# Altium PCB PCB SOM AM625.PcbDoc (part 5 of 6)
Units mm, origin at the board's own origin, x right, y up, seen from the top; angles counter-clockwise.
Board outline 92 x 91 mm, 6 copper layers (Top Layer, Layer 1, Layer 3, Layer 4, Layer 2, Bottom Layer), stack 1.56 mm thick; 480 components, 371 nets, 1721 pads, 738 vias.
Unrouted connection lines stored in the file: 13.
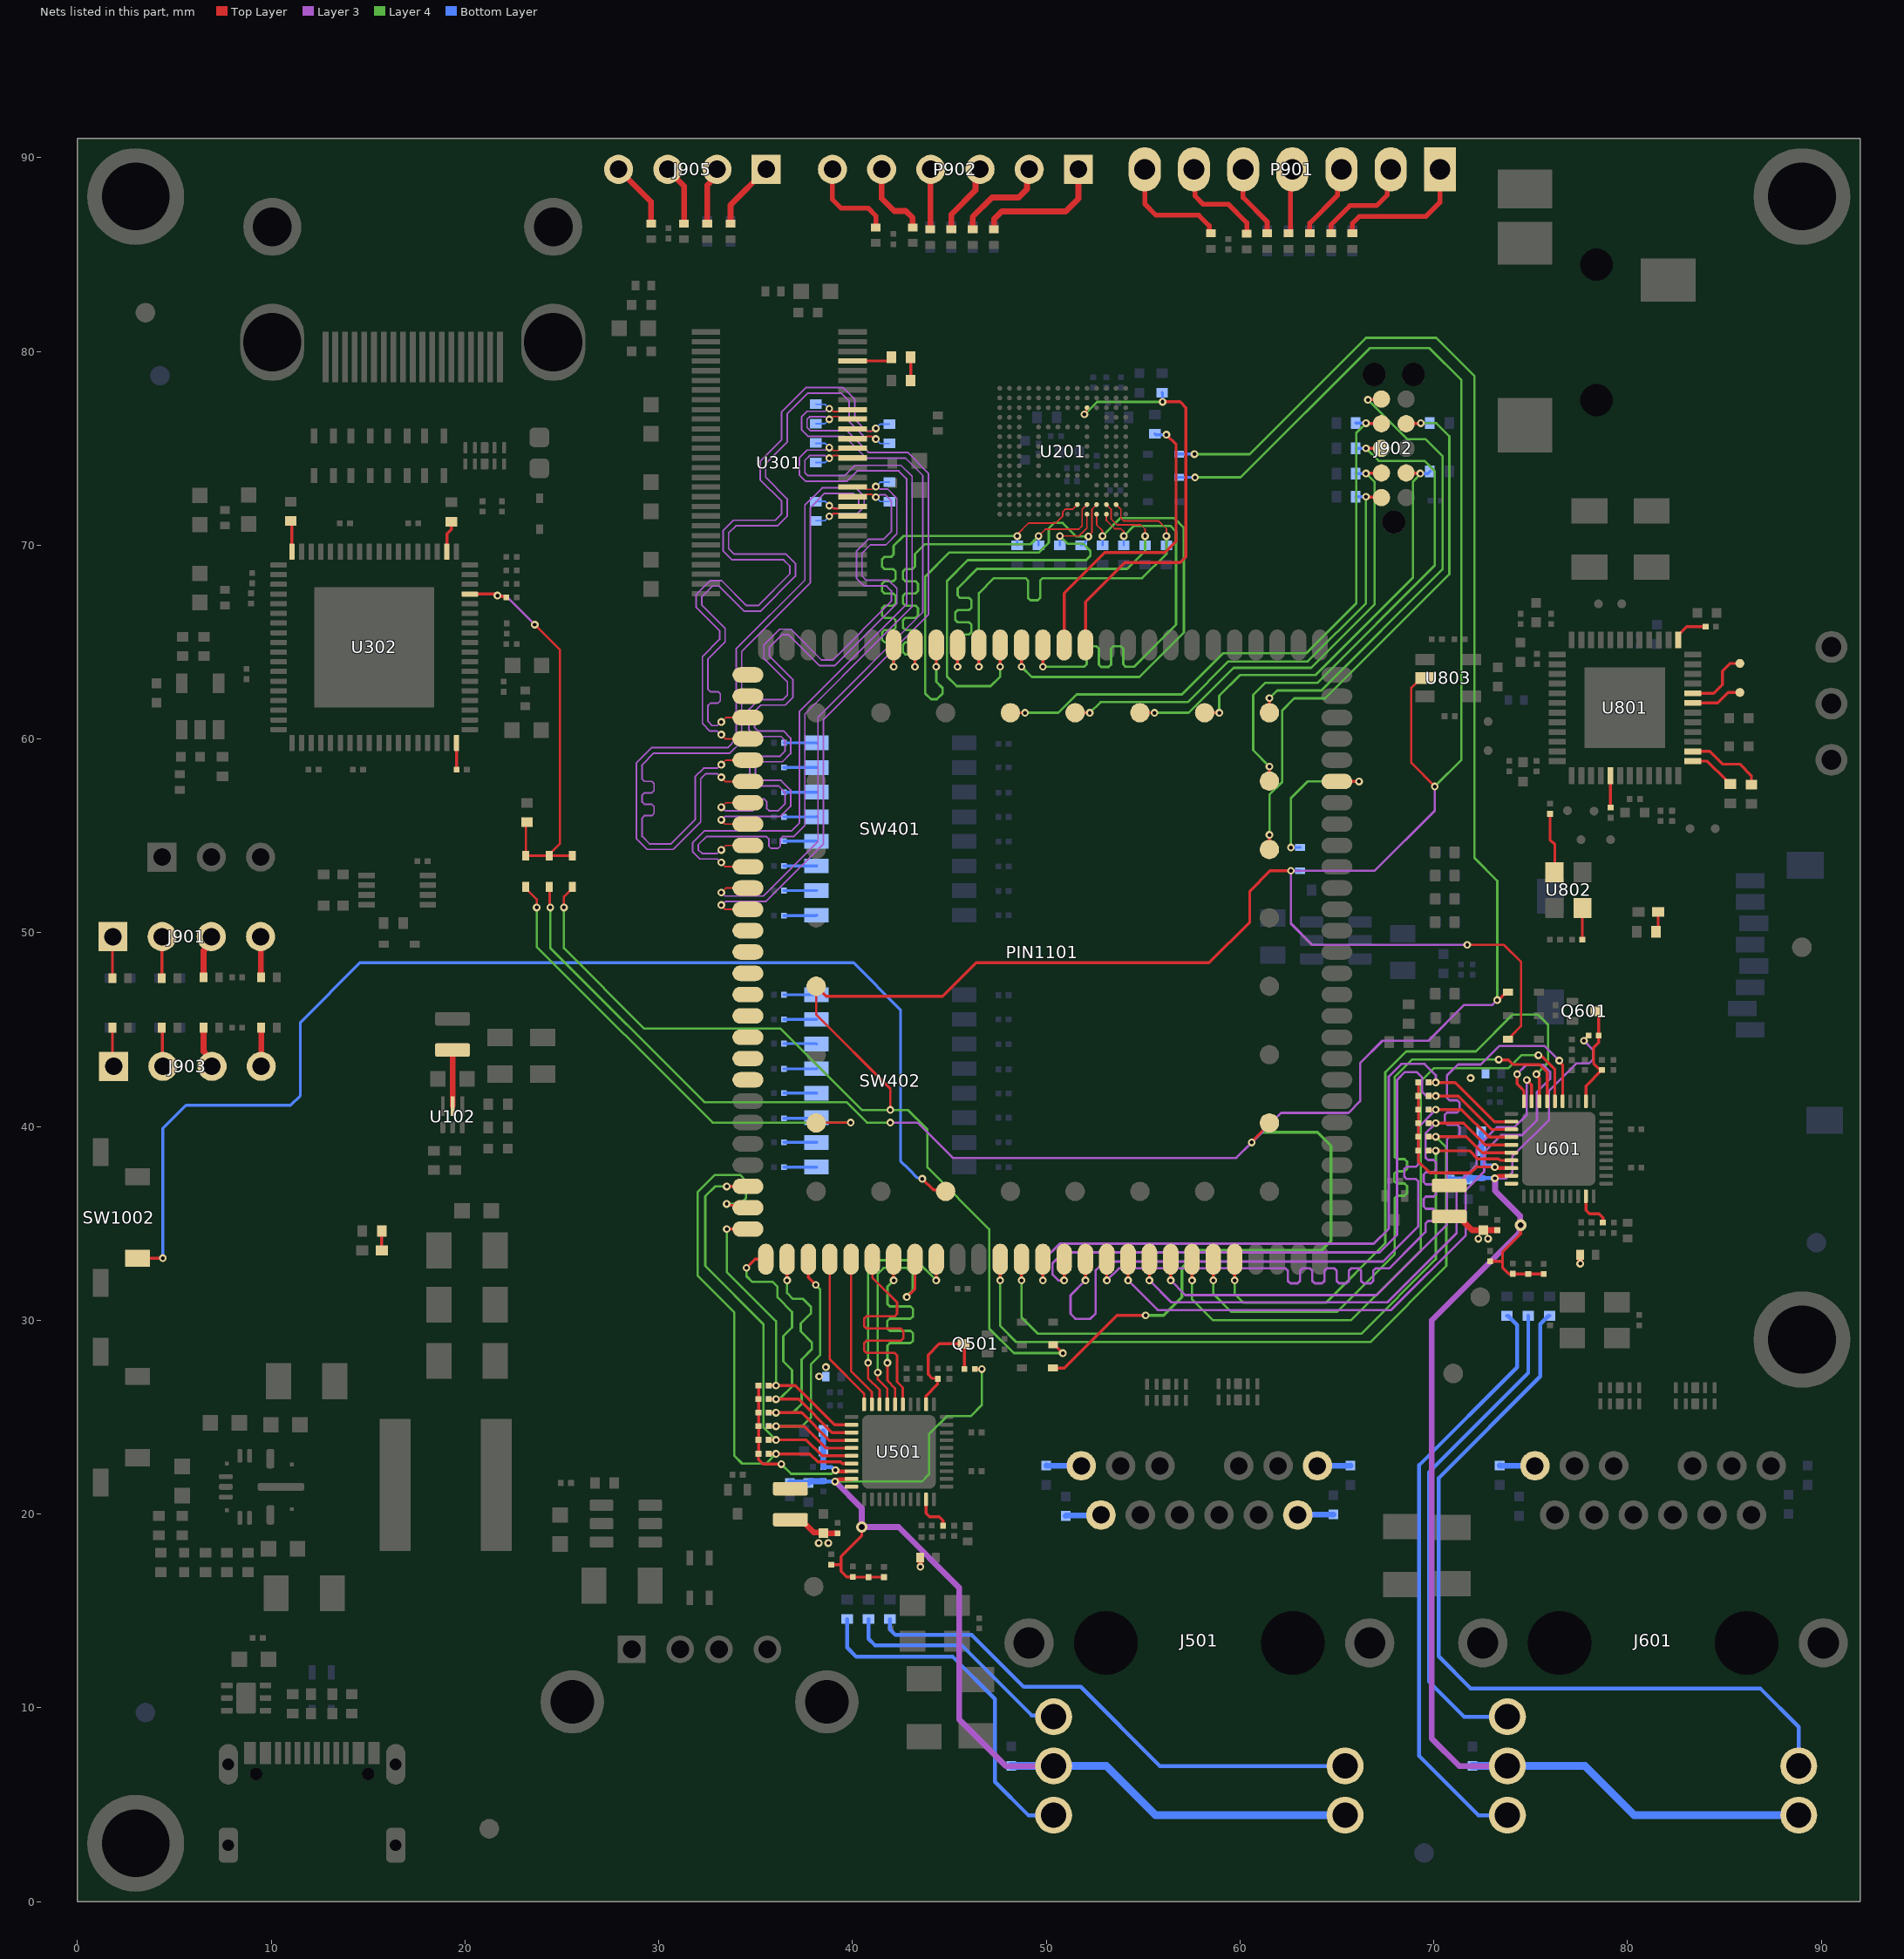
[diagram p9: the nets of this part, all layers, seen from the top]

## Via types
v1: diameter 0.4, hole 0.2, Top Layer to Bottom Layer, tented both sides, 695 vias
v2: diameter 0.8, hole 0.4, Top Layer to Bottom Layer, tented both sides, 40 vias
v3: diameter 0.6, hole 0.3, Top Layer to Bottom Layer, tented both sides, 3 vias

## Nets (pads, with @x,y where several pads share a name; then routed paths per layer and width w, separated by ;. In a path a pad name is that pad's centre, name@x,y a point inside that pad or via, vN(x,y) a via of type N, cw(c..) or ccw(c..) an arc to the next point about the centre after c; other vN are vias at no path point) (continued)
NetFB901_1: FB901.1 J901.1 | length 2.1
  Top Layer w0.15: FB901.1@1.8,47.66 1.8,49.78 J901.1@1.82,49.8
NetFB902_1: FB902.1 J901.2 | length 2.1
  Top Layer w0.15: FB902.1@4.35,47.66 4.355,47.665 4.355,49.795 J901.2@4.36,49.8
NetFB903_1: FB903.1 J901.3 | length 2.3
  Top Layer w0.3: FB903.1@6.5,47.7 6.5,49.075 6.9,49.475 J901.3@6.9,49.8
NetFB904_1: FB904.1 J901.4 | length 2.1
  Top Layer w0.3: J901.4@9.44,49.8 9.457,49.783 9.457,47.718 FB904.1@9.475,47.7
NetFB905_1: FB905.1 J903.1 | length 2
  Top Layer w0.15: FB905.1@1.8,45.1 1.8,43.16 J903.1@1.86,43.1
NetFB906_1: FB906.1 J903.2 | length 2
  Top Layer w0.15: FB906.1@4.35,45.1 4.375,45.075 4.375,43.125 J903.2@4.4,43.1
NetFB907_1: FB907.1 J903.3 | length 2.2
  Top Layer w0.3: FB907.1@6.5,45.1 6.5,43.865 6.94,43.425 J903.3@6.94,43.1
NetFB908_1: FB908.1 J903.4 | length 2
  Top Layer w0.3: FB908.1@9.475,45.1 9.477,45.098 9.477,43.103 J903.4@9.48,43.1
NetFB909_1: FB909.1 J905.1 | length 3.6
  Top Layer w0.3: FB909.1@33.7,86.6 33.7,87.56 J905.1@35.54,89.4
NetFB910_1: FB910.1 J905.2 | length 3
  Top Layer w0.3: FB910.1@32.5,86.6 32.5,88.575 33,89.075 J905.2@33,89.4
NetFB911_1: FB911.1 J905.3 | length 3.1
  Top Layer w0.3: J905.3@30.46,89.4 30.46,89.383 31.3,88.543 FB911.1@31.3,86.6
NetFB912_1: FB912.1 J905.4 | length 3.5
  Top Layer w0.3: J905.4@27.92,89.4 29.6,87.72 FB912.1@29.6,86.6
NetFB913_1: FB913.1 P901.1 | length 7.2
  Top Layer w0.25: FB913.1@65.8,86.1 65.8,86.615 66.16,86.975 69.6,86.975 70.32,87.695 P901.1@70.32,89.4
NetFB914_1: FB914.1 P902.1 | length 6.8
  Top Layer w0.3: FB914.1@47.3,86.3 47.3,86.825 47.7,87.225 51,87.225 51.66,87.885 P902.1@51.66,89.4
NetFB915_1: FB915.1 P901.2 | length 5.4
  Top Layer w0.25: FB915.1@64.7,86.1 64.7,86.55 65.675,87.525 67.05,87.525 67.595,88.07 67.595,89.215 P901.2@67.78,89.4
NetFB916_1: FB916.1 P902.2 | length 4.9
  Top Layer w0.3: FB916.1@46.2,86.3 46.2,86.95 47.2,87.95 48.575,87.95 49,88.375 P902.2@49,89.28
NetFB917_1: FB917.1 P901.3 | length 4
  Top Layer w0.25: FB917.1@63.6,86.1 63.6,86.625 65.025,88.05 65.025,89.185 P901.3@65.24,89.4
NetFB918_1: FB918.1 P902.3 | length 3.4
  Top Layer w0.3: FB918.1@45.1,86.3 45.1,87.075 46.35,88.325 P902.3@46.35,89.17
NetFB919_1: FB919.1 P901.4 | length 3.4
  Top Layer w0.25: FB919.1@62.5,86.1 62.525,86.1 62.6,86.175 62.6,89.3 P901.4@62.7,89.4
NetFB920_1: FB920.1 P902.4 | length 3.1
  Top Layer w0.3: FB920.1@44,86.3 44.02,86.32 P902.4@44.02,89.38
NetFB921_1: FB921.1 P901.5 | length 3.8
  Top Layer w0.25: P901.5@60.16,89.4 60.16,87.94 61.4,86.7 FB921.1@61.4,86.1
NetFB922_1: FB922.1 P902.5 | length 4
  Top Layer w0.3: P902.5@41.5,89.4 41.5,87.9 42.15,87.25 42.75,87.25 43.1,86.9 FB922.1@43.1,86.4
NetFB923_1: FB923.1 P901.6 | length 5.2
  Top Layer w0.25: P901.6@57.62,89.4 57.672,89.348 57.672,88.028 58.1,87.6 59.4,87.6 60.35,86.65 FB923.1@60.35,86.075
NetFB924_1: FB924.1 P902.6 | length 4.7
  Top Layer w0.25: P902.6@38.96,89.4 38.96,87.84 39.4,87.4 40.8,87.4 41.2,87 FB924.1@41.2,86.4
NetFB925_1: FB925.1 P901.7 | length 6
  Top Layer w0.25: P901.7@55.08,89.4 55.08,87.62 55.667,87.033 57.873,87.033 58.413,86.493 58.413,86.175 58.488,86.1 FB925.1@58.5,86.1
NetJ501_13: J501.13 R508.2 | length 26.9
  Bottom Layer w0.2: R508.2@41.925,14.575 41.925,14.05 42.225,13.75 46.15,13.75 48.825,11.075 51.775,11.075 55.857,6.993 J501.13@65.418,6.993
NetJ501_15: J501.15 R506.2 | length 12.2
  Bottom Layer w0.2: R506.2@40.825,14.575 40.825,13.55 41.15,13.225 45.625,13.225 49.246,9.604 50.311,9.604 J501.15@50.382,9.533
NetJ501_17: J501.17 R507.2 | length 18.2
  Bottom Layer w0.2: R507.2@39.725,14.575 39.725,13.1 40.2,12.625 45.175,12.625 47.35,10.45 47.35,6.175 49.072,4.453 J501.17@50.382,4.453
NetJ601_13: J601.13 R608.2 | length 42.1
  Bottom Layer w0.2: R608.2@75.975,30.225 75.925,30.225 75.5,29.8 75.5,27.1 70.25,21.85 70.25,12.65 71.9,11 86.85,11 88.837,9.013 J601.13@88.837,6.993
NetJ601_15: J601.15 R606.2 | length 25.8
  Bottom Layer w0.2: J601.15@73.8,9.533 71.567,9.533 69.75,11.35 69.75,22.15 74.875,27.275 R606.2@74.875,30.225
NetJ601_17: J601.17 R607.2 | length 30.9
  Bottom Layer w0.2: R607.2@73.775,30.225 73.825,30.225 74.3,29.75 74.3,27.575 69.25,22.525 69.25,7.5 72.297,4.453 J601.17@73.8,4.453
NetL102_1: L102.1 U102.5 | length 2.9
  Top Layer w0.3: L102.1@19.35,43.95 19.355,43.945 U102.5@19.355,41.048
NetLED1001_1: LED1001.1 R1001.1 | length 1.1
  Top Layer w0.15: R1001.1@81.475,50.05 81.583,50.158 LED1001.1@81.583,51.075
NetLED1002_1: LED1002.1 R1002.1 | length 1
  Top Layer w0.15: R1002.1@15.7,34.6 15.7,33.608 LED1002.1@15.708,33.6
NetR302_1: R302.1 R303.2 | length 1.2
  Top Layer w0.15: R302.1@43,78.5 R303.2@43,79.7
NetR310_1: R310.1 U302.72 | length 1.6
  Top Layer w0.15: R310.1@11,71.25 11.06,71.189 U302.72@11.06,69.666
NetR314_2: R314.2 U302.36 | length 1.4
  Top Layer w0.15: R314.2@19.56,58.425 U302.36@19.56,59.796
NetR401_1: R401.1 SW401.16 | length 1.7
  Bottom Layer w0.15: R401.1@36.465,59.8 38.135,59.8 SW401.16@38.14,59.795
NetR402_1: R402.1 SW401.15 | length 1.7
  Bottom Layer w0.15: R402.1@36.465,58.525 SW401.15@38.14,58.525
NetR403_1: R403.1 SW401.14 | length 1.7
  Bottom Layer w0.15: R403.1@36.465,57.25 38.135,57.25 SW401.14@38.14,57.255
NetR404_1: R404.1 SW401.13 | length 1.7
  Bottom Layer w0.15: R404.1@36.465,55.975 38.13,55.975 SW401.13@38.14,55.985
NetR405_1: R405.1 SW401.12 | length 1.7
  Bottom Layer w0.15: R405.1@36.465,54.725 38.13,54.725 SW401.12@38.14,54.715
NetR406_1: R406.1 SW401.11 | length 1.7
  Bottom Layer w0.15: R406.1@36.465,53.45 38.135,53.45 SW401.11@38.14,53.445
NetR407_1: R407.1 SW401.10 | length 1.7
  Bottom Layer w0.15: R407.1@36.465,52.175 SW401.10@38.14,52.175
NetR408_1: R408.1 SW401.9 | length 1.7
  Bottom Layer w0.15: R408.1@36.465,50.875 38.11,50.875 SW401.9@38.14,50.905
NetR409_1: R409.1 SW402.16 | length 1.7
  Bottom Layer w0.15: R409.1@36.465,46.8 38.135,46.8 SW402.16@38.14,46.795
NetR410_1: R410.1 SW402.15 | length 1.7
  Bottom Layer w0.15: R410.1@36.465,45.525 SW402.15@38.14,45.525
NetR411_1: R411.1 SW402.14 | length 1.7
  Bottom Layer w0.15: R411.1@36.465,44.275 38.12,44.275 SW402.14@38.14,44.255
NetR412_1: R412.1 SW402.13 | length 1.7
  Bottom Layer w0.15: R412.1@36.465,42.975 38.13,42.975 SW402.13@38.14,42.985
NetR413_1: R413.1 SW402.12 | length 1.7
  Bottom Layer w0.15: R413.1@36.465,41.725 38.13,41.725 SW402.12@38.14,41.715
NetR414_1: R414.1 SW402.11 | length 1.7
  Bottom Layer w0.15: R414.1@36.465,40.425 38.12,40.425 SW402.11@38.14,40.445
NetR415_1: R415.1 SW402.10 | length 1.7
  Bottom Layer w0.15: R415.1@36.465,39.175 SW402.10@38.14,39.175
NetR416_1: R416.1 SW402.9 | length 1.7
  Bottom Layer w0.15: R416.1@36.465,37.9 38.135,37.9 SW402.9@38.14,37.905
NetR803_2: R803.2 U801.13 | length 1.9
  Top Layer w0.15: U801.13@82.619,65.107 82.619,65.386 82.696,65.463 82.711,65.463 83.048,65.8 R803.2@84.035,65.8
NetR804_2: R804.2 U801.41 | length 1.6
  Top Layer w0.15: U801.41@79.119,58.106 79.122,58.103 79.122,56.468 R804.2@79.125,56.465
NetR805_2: R805.2 U801.2 | length 4
  Top Layer w0.15: U801.2@83.369,59.357 84.239,59.357 84.895,58.7 85.8,58.7 86.393,58.107 R805.2@86.393,57.65
NetR806_2: R806.2 U801.1 | length 2.4
  Top Layer w0.15: U801.1@83.369,58.856 84.119,58.856 85.075,57.9 85.075,57.85 85.25,57.675 R806.2@85.3,57.675
NetR807_1: R807.1 U802.1 | length 1.6
  Top Layer w0.15: R807.1@77.665,49.65 77.665,51.265 U802.1@77.675,51.275
NetR808_2: R808.2 U802.3 | length 3.1
  Top Layer w0.15: R808.2@76,56.135 76,54.8 76.25,54.55 76.25,53.15 U802.3@76.225,53.125
NetTP804_1: TP804.1 U801.7 | length 2.7
  Top Layer w0.15: U801.7@83.369,61.856 84.656,61.856 85.2,62.4 TP804.1@85.8,62.4
NetTP805_1: TP805.1 U801.8 | length 3.5
  Top Layer w0.15: U801.8@83.369,62.357 84.457,62.357 84.9,62.8 84.9,63.5 85.3,63.9 TP805.1@85.8,63.9
OLDI0_A0_N: PIN1101.49 R304.2 U301.9 | length 40.5
  Top Layer w0.084: v1(33.225,58.025) 33.225,58 33.419,57.806 PIN1101.49@34.6,57.806 ; v1(38.8,71.492) 38.862,71.492 39.007,71.638 39.276,71.638 39.403,71.511 U301.9@40,71.511
  Layer 3 w0.084: v1(33.225,58.025) 33.199,58.025 33.018,58.206 32.431,58.206 32.162,57.937 32.162,55.712 30.75,54.3 29.4,54.3 28.85,54.85 28.85,58.781 29.619,59.55 33.55,59.55 33.988,59.988 33.988,64.644 37.538,68.194 37.538,72.069 38.431,72.962 40.163,72.962 40.6,72.525 40.6,71.975 40.249,71.624 39.007,71.624 38.876,71.492 v1(38.8,71.492)
  Bottom Layer w0.084: R304.2@38.1,71.267 38.575,71.267 v1(38.8,71.492)
OLDI0_A0_P: PIN1101.50 R304.1 U301.10 | length 40.5
  Top Layer w0.084: v1(33.225,58.675) 33.456,58.906 PIN1101.50@34.6,58.906 ; v1(38.8,72.042) 38.857,72.042 39.007,71.892 39.276,71.892 39.403,72.019 U301.10@40,72.019
  Layer 3 w0.084: v1(33.225,58.675) 33.199,58.675 33.018,58.494 32.313,58.494 31.875,58.056 31.875,55.831 30.631,54.587 29.519,54.587 29.137,54.969 29.137,55.286 29.137,55.92 29.255,56.038 29.636,56.038 29.755,56.156 29.755,56.511 29.636,56.63 29.255,56.63 29.137,56.748 29.137,57.103 29.255,57.222 29.636,57.222 29.755,57.34 29.755,57.695 29.636,57.813 29.255,57.813 29.137,57.932 29.137,58 29.137,58.662 29.738,59.263 33.669,59.263 34.275,59.869 34.275,64.525 37.825,68.075 37.825,71.95 38.55,72.675 40.044,72.675 40.313,72.406 40.313,72.094 40.13,71.911 39.007,71.911 38.876,72.042 v1(38.8,72.042)
  Bottom Layer w0.084: R304.1@38.1,72.267 38.575,72.267 v1(38.8,72.042)
OLDI0_A1_N: PIN1101.48 R305.2 U301.11 | length 40.5
  Top Layer w0.084: v1(33.225,56.475) 33.456,56.706 PIN1101.48@34.6,56.706 ; U301.11@40,72.501 40.597,72.501 40.724,72.628 40.993,72.628 41.143,72.478 v1(41.2,72.478)
  Layer 3 w0.084: v1(33.225,56.475) 33.251,56.475 33.432,56.294 34.815,56.294 34.857,56.294 34.975,56.412 34.975,56.777 35.093,56.896 35.449,56.896 35.567,56.777 35.567,56.412 35.685,56.294 36.052,56.294 36.163,56.294 36.513,56.644 36.513,57.25 36.188,57.575 34.925,57.575 34.7,57.8 34.7,58.875 34.937,59.112 36.262,59.112 36.513,59.363 36.513,59.925 36.313,60.125 35,60.125 34.65,60.475 34.65,61.531 35.156,62.037 36.406,62.037 36.638,62.269 36.638,62.937 35.425,64.15 35.425,64.85 36.237,65.662 36.819,65.662 38.406,64.075 38.969,64.075 42,67.106 42,67.65 41.75,67.9 40.6,67.9 40.2,68.3 40.2,69.7 40.803,70.303 41.597,70.303 42,70.706 42,72.294 41.685,72.609 41.407,72.609 41.276,72.478 v1(41.2,72.478)
  Bottom Layer w0.084: v1(41.2,72.478) 41.425,72.253 R305.2@41.9,72.253
OLDI0_A1_P: PIN1101.47 R305.1 U301.12 | length 40.5
  Top Layer w0.084: v1(33.225,55.825) 33.225,55.8 33.419,55.606 PIN1101.47@34.6,55.606 ; U301.12@40,73.009 40.597,73.009 40.724,72.882 40.993,72.882 41.138,73.028 v1(41.2,73.028)
  Layer 3 w0.084: v1(33.225,55.825) 33.251,55.825 33.432,56.006 36.281,56.006 36.8,56.525 36.8,57.369 36.307,57.862 35.044,57.862 34.987,57.919 34.987,58.756 35.056,58.825 36.381,58.825 36.8,59.244 36.8,60.044 36.432,60.412 35.119,60.412 34.937,60.594 34.937,61.412 35.275,61.75 36.525,61.75 36.925,62.15 36.925,63.056 35.712,64.269 35.712,64.731 36.356,65.375 36.7,65.375 38.287,63.788 39.088,63.788 42.287,66.987 42.287,67.769 41.869,68.187 40.719,68.187 40.487,68.419 40.487,69.581 40.922,70.016 41.716,70.016 42.287,70.587 42.287,72.413 41.804,72.896 41.407,72.896 41.276,73.028 v1(41.2,73.028)
  Bottom Layer w0.084: v1(41.2,73.028) 41.425,73.253 R305.1@41.9,73.253
OLDI0_A2_N: PIN1101.46 R306.2 U301.15 | length 40.5
  Top Layer w0.084: v1(33.225,54.275) 33.456,54.506 PIN1101.46@34.6,54.506 ; v1(38.8,74.49) 38.862,74.49 39.007,74.635 39.276,74.635 39.403,74.508 U301.15@40,74.508
  Layer 3 w0.084: v1(33.225,54.275) 33.199,54.275 33.018,54.094 32.231,54.094 32.037,54.287 32.037,54.537 32.463,54.963 34.925,54.963 35.559,54.963 35.677,54.845 35.677,54.469 35.795,54.351 36.151,54.351 36.269,54.469 36.269,54.845 36.387,54.963 36.7,54.963 36.963,54.963 37.537,55.537 37.537,61.287 41.463,65.213 43.075,66.825 43.075,73.55 42.5,74.125 40.125,74.125 39.587,73.587 37.694,73.587 37.537,73.744 37.537,74.381 37.777,74.621 38.006,74.621 38.593,74.621 38.724,74.49 v1(38.8,74.49)
  Bottom Layer w0.084: R306.2@38.1,74.265 38.575,74.265 v1(38.8,74.49)
OLDI0_A2_P: PIN1101.45 R306.1 U301.16 | length 40.5
  Top Layer w0.084: v1(33.225,53.625) 33.225,53.6 33.419,53.406 PIN1101.45@34.6,53.406 ; v1(38.8,75.04) 38.857,75.04 39.007,74.889 39.276,74.889 39.403,75.016 U301.16@40,75.016
  Layer 3 w0.084: v1(33.225,53.625) 33.199,53.625 33.018,53.806 32.112,53.806 31.75,54.168 31.75,54.656 32.344,55.25 36.7,55.25 36.844,55.25 37.25,55.656 37.25,61.406 41.344,65.5 42.788,66.944 42.788,73.431 42.381,73.838 40.244,73.838 39.706,73.3 37.575,73.3 37.25,73.625 37.25,74.5 37.658,74.908 38.125,74.908 38.593,74.908 38.724,75.04 v1(38.8,75.04)
  Bottom Layer w0.084: R306.1@38.1,75.265 38.575,75.265 v1(38.8,75.04)
OLDI0_A3_N: PIN1101.43 R307.2 U301.19 | length 40.5
  Top Layer w0.084: v1(33.225,51.425) 33.225,51.4 33.419,51.206 PIN1101.43@34.6,51.206 ; v1(38.8,76.496) 38.862,76.496 39.007,76.642 39.276,76.642 39.403,76.515 U301.19@40,76.515
  Layer 3 w0.084: v1(33.225,51.425) 33.251,51.425 33.432,51.606 35.512,51.606 38.5,54.594 38.5,61 43.912,66.412 43.912,73.719 42.844,74.787 40.819,74.787 39.694,75.912 37.819,75.912 37.65,76.081 37.65,76.5 37.778,76.628 38.593,76.628 38.724,76.496 v1(38.8,76.496)
  Bottom Layer w0.084: R307.2@38.1,76.271 38.575,76.271 v1(38.8,76.496)
OLDI0_A3_P: PIN1101.44 R307.1 U301.20 | length 40.4
  Top Layer w0.084: v1(33.225,52.075) 33.456,52.306 PIN1101.44@34.6,52.306 ; v1(38.8,77.046) 38.857,77.046 39.007,76.896 39.276,76.896 39.403,77.023 U301.20@40,77.023
  Layer 3 w0.084: v1(33.225,52.075) 33.251,52.075 33.432,51.894 35.394,51.894 38.213,54.713 38.213,61.119 43.625,66.531 43.625,73.6 42.725,74.5 40.7,74.5 39.575,75.625 37.7,75.625 37.363,75.962 37.363,76.619 37.659,76.915 38.593,76.915 38.724,77.046 v1(38.8,77.046)
  Bottom Layer w0.084: R307.1@38.1,77.271 38.575,77.271 v1(38.8,77.046)
OLDI0_A4_N: PIN1101.41
OLDI0_A4_P: PIN1101.42
OLDI0_A5_N: PIN1101.40
OLDI0_A5_P: PIN1101.39
OLDI0_A6_N: PIN1101.38
OLDI0_A6_P: PIN1101.37
OLDI0_A7_N: PIN1101.35
OLDI0_A7_P: PIN1101.36
OLDI0_CLK0_N: PIN1101.53
OLDI0_CLK0_P: PIN1101.54
OLDI0_CLK1_N: PIN1101.52 R301.1 U301.17 | length 40.5
  Top Layer w0.084: v1(33.225,60.875) 33.456,61.106 PIN1101.52@34.6,61.106 ; U301.17@40,75.499 40.597,75.499 40.724,75.626 40.993,75.626 41.143,75.475 v1(41.2,75.475)
  Layer 3 w0.084: v1(33.225,60.875) 33.199,60.875 33.018,60.694 32.756,60.694 32.537,60.913 32.537,61.098 32.537,61.732 32.655,61.85 33.058,61.85 33.176,61.968 33.176,62.323 33.058,62.442 32.655,62.442 32.537,62.56 32.537,63.275 32.537,64.131 33.425,65.019 33.425,65.706 32.212,66.919 32.212,67.331 32.769,67.888 33.112,67.888 34.406,66.594 35.244,66.594 37.05,68.4 37.05,69.05 36.563,69.537 33.894,69.537 33.6,69.831 33.6,70.625 33.975,71 36.125,71 36.625,71.5 36.625,72.394 35.512,73.507 35.512,74.212 36.625,75.325 36.625,76.769 37.706,77.85 39.4,77.85 39.825,77.425 39.825,76.381 40.6,75.606 40.993,75.606 41.124,75.475 v1(41.2,75.475)
  Bottom Layer w0.084: v1(41.2,75.475) 41.425,75.25 R301.1@41.9,75.25
OLDI0_CLK1_P: PIN1101.51 R301.2 U301.18 | length 40.4
  Top Layer w0.084: v1(33.225,60.225) 33.225,60.2 33.419,60.006 PIN1101.51@34.6,60.006 ; U301.18@40,76.007 40.597,76.007 40.724,75.88 40.993,75.88 41.138,76.025 v1(41.2,76.025)
  Layer 3 w0.084: v1(33.225,60.225) 33.199,60.225 33.018,60.406 32.638,60.406 32.25,60.794 32.25,64.25 33.138,65.138 33.138,65.587 31.925,66.8 31.925,67.45 32.65,68.175 33.231,68.175 34.524,66.881 35.126,66.881 36.763,68.519 36.763,68.931 36.444,69.25 33.775,69.25 33.313,69.712 33.313,70.744 33.856,71.287 36.006,71.287 36.338,71.619 36.338,72.275 35.225,73.388 35.225,74.331 36.338,75.444 36.338,76.888 37.587,78.137 39.519,78.137 40.112,77.544 40.112,76.5 40.719,75.894 40.993,75.894 41.124,76.025 v1(41.2,76.025)
  Bottom Layer w0.084: v1(41.2,76.025) 41.425,76.25 R301.2@41.9,76.25
OLDI_RESETn: D303.2 PIN1101.110 | length 25.1
  Top Layer w0.122: D303.2@23.136,52.37 23.136,52.294 23.7,51.73 v1(23.7,51.3) ; PIN1101.110@38.121,40.179 38.132,40.19 39.889,40.19 v1(39.9,40.2)
  Layer 4 w0.122: v1(23.7,51.3) 23.7,49.275 32.775,40.2 v1(39.9,40.2)
PHY1_DVDD3V3: C501.1 C502.1 C520.1 FB501.2 J501.14 J501.16 R521.2 R525.2 R527.2 R529.2 R531.2 U501.29 | length 61.5
  Top Layer w0.15: R521.2@38.9,17.385 39.36,17.385 39.4,17.425 ; v3(40.475,19.325) 40.475,18.875 39.4,17.8 39.4,17.425 ; R531.2@41.616,16.741 40.034,16.741 40.025,16.75 39.7,16.75 39.4,17.05 39.4,17.425 ; R525.2@46.31,27.48 46.312,27.478 46.672,27.478 v1(46.675,27.475)
  Top Layer w0.2: 39.279,21.8 U501.29@39.95,21.8
  Layer 3 w0.3: v1(39.1,21.675) 40.475,20.3 v3(40.475,19.325) 42.375,19.325 45.5,16.2 45.5,9.4 47.907,6.993 J501.16@50.382,6.993
  Layer 4 w0.122: v1(39.1,21.675) 43.575,21.675 43.95,22.05 43.95,24.125 44.875,25.05 46.1,25.05 46.675,25.625 v1(46.675,27.475)
  Bottom Layer w0.2: C502.1@38.5,21.69 38.507,21.683 39.092,21.683 v1(39.1,21.675)
  Bottom Layer w0.3: FB501.2@36.775,21.65 36.8,21.625 37.7,21.625 C501.1@37.72,21.605 37.725,21.6 37.815,21.69 C502.1@38.5,21.69
  Bottom Layer w0.4: C520.1@48.195,7.005 48.201,6.999 50.376,6.999 J501.16@50.382,6.993 53.107,6.993 55.647,4.453 J501.14@65.418,4.453
PHY1_VDD1V0: C514.2 C515.1 FB502.2 FB503.1 L501.2 | length 2.6
  Top Layer w0.3: L501.2@37.35,19.7 38.002,19.048 38.452,19.048 C514.2@38.495,19.005 C515.1@39.22,19.005 ; v1(43.5,17.275) FB502.2@43.5,17.75
  other v1: 38.25,18.5 38.75,18.5 38.275,27.1 38.625,27.575
PHY1_VDDIO: C505.1 C506.1 R501.1 R511.2 R513.2 R515.2 R517.2 R519.2 R523.2 U501.28 | length 11.3